# Allegro board RK3588_Template_LP4XD200P232SD8_41R0X41R0_2133MHz_H1R6_V11_20220216.brd (continued)
## Routing (per net, layer and track width the routed paths; a pad name or vN(x,y) marks a point on that pad's centre or on a via; arc(x,y) is an arc through that point) (continued)
65.29,50.95 ; v1(65.62,50.63) 65.94,50.3 ; U1000.R3 65.94,50.95 v1(66.26,51.28) 65.94,51.6 U1000.T3 65.94,51.6 v1(66.26,51.93) 65.94,52.25 U1000.U3 ; U1000.R3 65.94,50.95 v1(66.26,50.63) 65.94,50.3 ; 60.1,58.1 U1000.AF12 ; 60.1,58.1 60.41,57.79 v1(60.41,57.78) ; U1000.AF12 59.76,58.43 ; U1000.AC5 64.96,56.48 ; U1000.AC5 v1(64.97,55.83) ; U1000.AC5 v1(64.32,56.48) 64.64,56.8 U1000.AD5 ; U1000.AC5 64.32,55.83 ; 64.96,56.48 U1000.AD5 ; 52.62,51.93 U1000.T23 ; v1(67.69,48.35) U1000.L1 ; U1000.F14 58.79,45.1 v1(59.11,44.78) U1000.F13 59.44,45.1 v1(59.76,44.78) 60.09,44.45 U1000.E12 60.09,44.45 v1(60.41,44.13) 60.09,43.8 v1(60.41,43.48) ; U1000.F14 v1(58.46,45.43) ; 59.94,26.82 v1(59.95,26.83) ; v1(59.95,26.83) U3801.N9 60.68,27.15 v1(60.71,27.18) 60.71,27.18 61.09,27.56 v1(61.98,27.56) 61.98,27.4 U3801.K9 v1(62.55,26.83) 62.87,26.5 U3801.J10 ; v1(63.01,47.38) U1000.K8 ; U1000.K8 62.36,48.03 ; U1000.K8 v1(62.36,47.38) ; U1000.AL13 59.69,61.6 59.69,62.25 U1000.AN12 v1(59.76,62.98) ; v1(57.81,45.43) 57.49,45.1 U1000.F16 ; U1000.L21 54.57,48.68 ; U1000.L21 v1(54.57,48.03) ; 60.44,59.7 60.44,59.75 60.74,60.05 U1000.AJ11 60.42,60.38 ; v1(51.32,47.38) 51.56,47.62 51.56,47.78 ; v1(51.31,47.38) U1000.J25 ; v1(63.01,55.17) 63.01,55.18 U1000.AB8 63.01,55.82 v1(63.01,55.82) ; v1(63.01,55.17) 63.34,55.5 U1000.AB7 63.02,55.82 v1(63.01,55.82) ; v1(45.34,32.51) 45.85,33.02 45.85,35.05 49.8,39 49.8,41.24 49.91,41.36 v1(49.91,41.4) ; U1000.W9 62.35,53.86 ; U1000.W9 61.71,53.23 ; U1000.T23 v1(53.27,51.28) ; v1(61.06,56.48) U1000.AC11 ; v1(61.06,56.48) 60.74,56.8 U1000.AD11 ; v1(61.06,56.48) U1000.AC10 61.39,56.15 v1(61.06,55.83) ; v1(61.06,56.48) 61.39,56.8 U1000.AD10 ; U1000.AC11 v1(61.06,55.83) ; U1000.AC11 60.72,56.15 60.41,55.84 ; 60.41,55.84 U1000.AC12 v1(60.41,56.48) U1000.AD11 ; 62.36,48.03 62.04,47.7 U1000.K9 ; v1(64.96,61.68) U1000.AM4 ; 60.42,61.03 U1000.AK11 60.41,60.38 ; U1000.AJ12 v1(59.77,60.38) ; U1000.AJ12 60.41,60.38 ; U3800.E12 v1(84.65,53.74) ; 53.23,46.76 U1000.H22 ; U1000.AA20 U1000.Y19 ; v1(50.67,51.28) 50.99,50.95 U1000.R26 ; v1(50.66,51.28) U1000.T27 50.68,51.94 ; 53.28,54.55 53.25,54.55 U1000.AA23 ; 53.28,54.55 U1000.Y23 ; 53.28,54.55 U1000.AA22 ; 62.03,52.27 62.37,51.93 ; 62.37,51.93 U1000.T9 v1(62.36,51.28) ; 62.37,51.93 63,52.57 63,52.59 ; 52.61,51.28 U1000.R23 ; v1(64.31,46.73) U1000.H6 ; v1(64.32,46.73) 64.64,47.05 ; U1000.U15 v1(58.46,52.58) U1000.V15 ; v1(66.26,56.48) 65.94,56.15 U1000.AC3 ; U1000.N22 v1(53.27,49.33) U1000.M22 ; U1000.N22 53.92,49.98 ; 57.81,57.78 U1000.AE15 ; 53.88,47.41 U1000.J21 ; 52.02,51.23 v1(51.97,51.28) ; 52.02,51.23 U1000.T25 ; U1000.W16 57.49,53.55 57.81,53.24 ; U1000.W16 v1(57.17,53.88) ; 53.26,60.38 52.94,60.7 U1000.AK23 52.7,60.94 52.7,61.12 U1000.AL23 52.57,61.72 ; 53.26,60.38 53.26,60.38 U1000.AJ23 52.94,60.05 53.26,59.73 ; U1000.F19 55.54,45.1 v1(55.22,44.78) ; U1000.F19 55.53,45.1 55.21,45.42 ; U1000.D23 52.94,43.8 v1(52.62,43.48) ; U1000.D23 v1(53.26,43.48) ; 56.84,45.1 57.16,44.78 U1000.F16 ; 56.84,45.1 U1000.E18 56.19,44.45 v1(56.51,44.13) 56.19,43.8 v1(56.51,43.48) ; 56.84,45.1 56.51,45.43 56.64,45.56 56.64,46.6 56.51,46.73 ; U1000.P19 v1(55.86,49.98) ; U1000.P19 v1(55.87,50.63) U1000.R18 U1000.T19 ; v1(55.87,49.98) U1000.P18 U1000.R19 ; v1(55.87,49.98) 56.19,49.65 U1000.N18 v1(55.87,49.33) U1000.M18 U1000.L19 ; v1(59.39,32.31) 59.39,32.19 U3801.P3 59.62,31.8 59.92,31.5 v1(59.94,31.5) 59.96,31.47 59.96,31.46 U3801.N4 60.27,30.96 v1(60.07,30.76) ; U1000.C16 57.18,42.84 57.15,42.84 U1000.C17 ; U1000.C16 57.16,43.48 56.84,43.15 U1000.C17 ; U1000.AB16 U1000.AA17 ; 53.26,59.73 52.94,59.42 U1000.AH23 53.25,59.09 ; 53.26,59.73 U1000.AH22 ; U1000.J20 55.15,47.31 55.28,47.31 U1000.J19 ; U1000.J20 54.63,46.79 54.5,46.79 U1000.J21 ; v1(55.22,53.88) 54.89,54.2 U1000.Y20 ; v1(55.22,53.88) U1000.Y19 ; v1(55.21,53.88) U1000.W20 ; U1000.T19 v1(55.22,51.93) ; U1000.T19 v1(55.86,51.92) ; v1(55.22,51.93) 54.89,52.25 U1000.U20 ; v1(55.22,51.93) U1000.U19 ; v1(50.02,46.73) U1000.J28 49.69,47.02 49.38,46.71 ; v1(50.02,46.73) U1000.H28 49.38,46.71 ; 56.84,43.15 U1000.C17 ; 56.84,43.15 v1(56.51,42.83) U1000.C18 v1(56.51,43.48) ; 56.84,43.15 v1(56.51,43.48) ; U1000.Y19 55.54,54.2 v1(55.87,53.88) ; 63.98,52.27 63.66,51.96 v1(63.66,51.93) 63.39,52.2 ; 63.98,52.27 64,52.27 ; 64.96,46.08 64.64,45.75 ; 64.64,45.75 v1(64.96,45.43) ; 64.64,45.75 64.32,46.08 ; 64.64,45.75 v1(64.64,45.88) ; U1000.AA3 66.2,54.59 66.2,54.46 U1000.Y3 ; U1000.AA3 v1(66.27,55.18) U1000.AB3 65.94,55.5 v1(66.26,55.83) U1000.AC3 ; U1000.AA3 65.62,54.53 65.94,54.2 U1000.Y3 ; v1(58.52,34.44) 58.52,34.39 58.32,34.19 U3801.T1 ; U3801.G10 v1(63.87,26.05) ; 65.29,50.95 v1(64.96,50.63) U1000.R5 ; 65.29,50.95 v1(64.97,51.28) U1000.R5 ; 60.41,53.23 U1000.W12 ; U1000.AA19 U1000.Y20 ; 44.45,64.26 44.95,63.76 44.95,63.49 v1(45.47,62.98) U1000.AP34 ; U3801.E8 v1(65.47,28.39) ; U1000.H14 v1(58.46,46.73) ; U1000.H14 v1(59.11,46.73) ; v1(58.46,46.73) U1000.J14 58.79,47.05 v1(59.11,46.73) ; v1(58.46,46.73) 58.14,47.05 U1000.J15 v1(57.82,46.73) U1000.J16 57.49,47.05 v1(57.16,46.73) 56.84,47.06 ; U1000.H12 v1(60.41,46.08) ; U1000.R21 v1(54.57,51.28) ; U1000.R21 v1(53.92,51.28) U1000.R22 ; U1000.R21 v1(53.92,50.63) ; 51.3,46.09 U1000.G25 ; U3801.A10 v1(68.4,26.03) ; 57.02,58.8 56.89,58.8 v1(56.52,58.43) ; 57.02,58.8 57.02,59.22 56.85,59.39 ; 56.83,58.1 56.85,58.1 ; 56.83,58.1 56.52,57.78 ; 56.85,58.1 v1(56.52,58.43) ; 55.25,48.64 U1000.M20 54.57,48.68 ; 55.25,48.64 U1000.L19 ; U1000.T25 U1000.R26 ; U1000.T25 50.67,52.57 ; U1000.R26 U1000.P25 ; U1000.AA17 v1(56.52,54.53) ; v1(56.52,54.53) U1000.Y17 ; U1000.V8 63,52.59 ; U1000.Y24 U1000.AA23 ; U1000.Y24 v1(52.62,53.88) ; U1000.Y24 v1(51.97,53.88) ; U1000.Y24 52,54.49 51.93,54.49 ; U1000.AA23 v1(52.62,55.18) ; U1000.AA23 v1(53.27,55.18) U1000.AA22 ; 63.64,58.41 63.99,58.75 ; 63.64,58.41 U1000.AF7 ; 63.64,58.41 63.34,58.71 U1000.AG7 ; 63.99,58.75 U1000.AG6 ; 63.99,58.75 v1(63.66,59.08) ; U3801.T12 v1(58.62,24.46) ; U1000.R19 U1000.T18 56.19,51.6 55.87,51.92 v1(55.86,51.92) ; U1000.J21 53.92,46.73 ; U1000.W2 v1(66.91,53.88) ; U1000.W2 v1(66.26,53.88) ; U1000.AF14 v1(59.11,58.43) U1000.AF13 ; U1000.AF14 U1000.AE15 ; U3800.G10 82.82,52.75 83,52.57 v1(83.12,52.57) ; U1000.L19 v1(55.87,48.03) 56.19,47.7 U1000.K18 ; 63.02,59.72 63.02,59.74 U1000.AJ7 ; 63.02,59.72 v1(63.66,59.08) ; 63.02,59.72 63.01,59.72 U1000.AH8 U1000.AG7 ; 50.28,52.31 50.41,52.31 50.67,52.57 ; 50.28,52.31 50.65,51.94 50.68,51.94 ; v1(84.02,53.08) 84.02,53.08 U3800.G12 v1(83.92,52.43) ; U1000.P8 v1(63.01,49.98) ; U1000.P8 62.69,50.3 v1(63.01,50.63) U1000.R8 ; 53.26,44.77 53.27,44.77 U1000.E22 ; U1000.AM24 52.57,61.72 ; U1000.AM24 v1(51.97,62.33) ; U3800.P10 v1(82.4,47.87) ; U3800.P10 v1(83.19,47.88) ; U1000.K9 v1(62.36,47.38) ; v1(53.92,58.43) U1000.AG21 v1(53.92,59.08) ; v1(53.92,58.43) U1000.AG22 ; v1(53.92,58.43) U1000.AF21 ; v1(53.92,58.43) 53.59,58.1 U1000.AF22 53.27,58.42 53.26,58.42 ; U3800.V5 v1(78.36,45.98) ; v1(65.61,57.13) U1000.AE3 v1(65.61,57.78) 65.29,58.1 U1000.AF4 U1000.AG3 v1(66.26,58.43) ; U1000.B27 50.34,42.5 v1(50.02,42.83) U1000.C28 v1(49.37,42.83) ; v1(80.52,42.67) 80.81,42.67 U3800.AB8 ; 55.87,52.59 55.86,52.59 U1000.V19 ; 55.87,52.59 55.54,52.25 U1000.U19 ; U1000.W3 v1(65.61,53.23) ; U1000.W3 v1(66.26,53.88) ; v1(65.61,53.23) U1000.V4 ; v1(60.41,57.78) 60.43,57.76 60.44,57.76 ; v1(60.41,57.78) 60.41,57.74 60.13,57.45 U1000.AE12 ; U1000.AB32 v1(47.41,55.18) U1000.AA31 v1(47.41,54.53) ; v1(52.62,53.88) 52.64,53.9 U1000.Y23 ; v1(52.62,53.88) 52.94,53.55 U1000.W23 52.62,53.23 ; v1(52.62,53.88) U1000.W24 ; U1000.AD10 61.39,56.8 61.71,57.13 ; 53.92,46.73 U1000.H22 ; v1(64.14,70.1) 64.14,70.08 63.88,69.83 63.52,69.83 62.92,70.43 62.92,70.58 62.93,70.59 62.93,74.39 62.93,74.94 62.74,75.13 62.74,76.65 ; U1000.AM26 v1(51.32,61.68) 51.64,61.35 ; U1000.J5 64.64,47.05 ; 64.64,47.05 v1(64.31,47.38) ; U1000.V4 65.61,52.58 ; U1000.AF7 63.01,58.43 ; U1000.AF7 63.64,57.8 63.64,57.8 ; U1000.AF7 63.03,57.79 63,57.79 ; 63.01,58.43 U1000.AG7 ; 63.01,58.43 U1000.AF8 ; 63.01,58.43 62.7,58.74 62.68,58.74 ; v1(51.97,57.78) U1000.AF24 52.57,57.83 52.66,57.83 ; v1(51.97,57.78) U1000.AE24 ; 64.47,83.06 64.15,82.74 63.45,82.74 62.8,82.1 C2325.2 ; U1000.Y17 v1(57.16,53.88) ; U1000.R23 v1(53.27,51.28) ; v1(53.27,51.28) 53.59,50.95 U1000.R22 ; 61.39,45.1 v1(61.06,44.78) 60.74,45.1 U1000.F11 ; 65.61,43.47 U1000.D3 ; U1000.C23 v1(52.62,43.48) ; U1000.C23 v1(53.26,43.48) ; U1000.C23 v1(53.26,42.83) U1000.C22 ; 61.71,57.13 U1000.AE9 ; U1000.AE9 62.36,57.78 ; U1000.V19 v1(55.22,53.23) 55.2,53.24 ; v1(56.7,24.43) 56.7,24.43 U3801.V12 ; v1(75.25,48.49) U3800.P1 ; U1000.R22 53.59,50.95 v1(53.92,50.63) ; U1000.Y3 v1(66.26,53.88) ; U1000.N29 49.04,49.65 v1(49.37,49.33) 49.04,49 U1000.M29 49.04,49 v1(48.72,48.68) ; U1000.V25 51.64,52.9 v1(51.97,53.23) ; U1000.V25 51.64,52.9 51.32,52.58 ; U1000.E20 54.89,44.45 ; 54.89,44.45 v1(55.22,44.78) ; 54.89,44.45 v1(54.57,44.78) ; U1000.U3 65.94,52.25 65.61,52.58 ; 65.94,47.05 v1(65.62,47.38) ; 65.94,47.05 U1000.J3 ; U1000.AA6 64.31,55.17 ; v1(55.22,55.83) 55.54,55.5 U1000.AB19 ; 56.52,47.38 56.19,47.7 U1000.K18 ; 56.52,47.38 56.84,47.06 ; 56.52,47.38 U1000.L16 v1(57.81,48.68) U1000.M15 ; 56.52,47.38 U1000.J18 ; 51.93,54.49 51.69,54.25 51.69,54.15 v1(51.97,53.88) ; 51.93,54.49 U1000.AA24 ; v1(54.57,51.28) U1000.R20 ; U1000.AC24 v1(52.62,55.83) U1000.AB24 ; U1000.AC24 52.29,56.15 51.97,55.83 U1000.AB24 ; 64.31,55.17 64.31,55.18 U1000.AB6 64.32,55.83 ; v1(53.92,59.73) U1000.AH22 ; v1(53.92,59.73) U1000.AH21 v1(53.92,59.08) ; 62.37,25.4 v1(62.55,25.23) U3801.J12 v1(62.87,24.33) ; U1000.AF13 59.44,58.1 59.76,58.43 ; U1000.V30 v1(48.06,52.58) ; v1(48.06,52.58) 48.39,52.25 U1000.U30 v1(48.07,51.93) U1000.U31 47.74,52.25 v1(48.06,52.58) ; U1000.F7 63.34,45.1 v1(63.66,44.78) ; v1(63.66,59.08) U1000.AG7 ; 59.76,58.43 U1000.AG12 ; U1000.AA22 v1(53.92,55.18) U1000.AA21 ; U1000.Y13 59.44,54.2 v1(59.76,53.88) U1000.W12 ; v1(51.97,53.88) U1000.W24 ; 50.68,51.94 51.32,52.58 ; U1000.P25 v1(51.32,49.98) ; U3800.J1 75.69,51.45 v1(76.02,51.13) U3800.K2 ; 56.51,46.73 56.51,46.74 56.84,47.06 ; 56.51,46.73 U1000.J18 ; U1000.J19 v1(55.86,46.73) ; U1000.AF8 62.36,57.78 ; U1000.AF8 63,57.79 ; 62.36,57.78 61.72,58.42 ; v1(48.32,26.42) v1(48.32,27.69) v1(48.32,28.96) v1(48.32,30.23) v1(48.32,31.5) v1(48.32,32.77) v1(48.32,34.04) 49.28,34.99 49.28,35.56 v1(49.53,35.81) v1(50.55,36.83) ; v1(60.78,41.4) 60.74,41.44 U1000.A11 ; U3801.AB10 v1(54.1,26.03) ; U1000.AB29 v1(49.36,55.18) ; 63,52.59 63.39,52.2 ; U1000.V10 61.71,53.23 ; v1(64.31,42.83) U1000.C6 63.99,43.15 ; U3801.K2 62.22,32.88 v1(62.51,33.17) 62.87,33.53 U3801.J1 ; 53.25,59.09 U1000.AG22 ; 53.25,59.09 53.28,59.09 U1000.AH22 ; U1000.AG22 53.26,58.42 ; U1000.AG22 53.59,58.75 v1(53.92,59.08) ; 65.61,61.68 U1000.AM4 ; U3800.E1 75.82,53.77 v1(75.87,53.77) ; U1000.C22 v1(53.26,43.48) ; U1000.C22 53.59,43.15 v1(53.92,42.83) U1000.C21 54.57,42.83 U1000.C20 54.89,43.15 v1(55.21,42.83) 55.54,42.5 U1000.B19 v1(55.22,42.18) ; U1000.M14 58.51,48.72 58.42,48.72 U1000.M15 ; U1000.M14 v1(59.11,48.68) ; v1(62.36,51.28) 62.04,50.95 U1000.R9 v1(62.36,50.63) ; v1(62.36,51.28) U1000.R8 ; U3800.J3 77.46,51.13 v1(77.59,51.13) 77.62,51.13 U3800.K4 ; U1000.T6 v1(64.31,51.93) 64.31,51.96 64,52.27 ; U1000.T6 63.99,51.6 63.65,51.94 ; U1000.T6 v1(64.31,51.28) U1000.R5 ; U1000.K31 47.45,47.99 47.38,47.99 ; U3801.G8 v1(64.46,28.25) ; U3801.V5 57.02,30.47 57.27,30.72 v1(57.28,30.72) ; 53.26,58.42 52.66,57.83 ; U1000.R8 v1(62.36,50.63) ; v1(57.35,33.2) 57.35,33.2 U3801.V1 57.01,33.57 57.01,33.99 v1(56.91,34.1) ; v1(46.76,44.78) U1000.E32 U1000.F31 47.74,45.1 v1(47.41,45.43) 47.09,45.75 U1000.G32 v1(46.78,46.07) ; v1(79.03,53.05) U3800.G5 ; U3800.D4 v1(78.4,54.4) U3800.E5 ; U3800.D4 78.3,55.06 v1(78.37,55.06) 78.45,55.06 U3800.C5 v1(79.12,54.98) ; U3800.D4 v1(77.6,54.99) ; 57.81,53.24 U1000.V15 ; 63,57.79 U1000.AE7 ; v1(52.62,43.48) U1000.D24 ; v1(54.57,57.13) U1000.AE21 ; v1(55.86,51.92) 55.86,51.94 U1000.U19 ; U1000.H22 53.59,46.4 v1(53.92,46.08) ; U1000.D31 v1(47.41,43.48) U1000.C32 ; v1(53.92,59.08) 53.59,59.4 U1000.AH22 ; v1(60.41,43.48) 60.09,43.15 ; v1(60.41,43.48) U1000.C11 ; 60.09,43.15 v1(60.41,42.83) U1000.C11 ; v1(51.97,53.23) U1000.V24 ; v1(51.97,53.23) U1000.W24 ; U3800.D11 v1(83.21,54.38) ; 49.38,46.71 49.04,47.05 U1000.J29 ; v1(40.89,50.17) v1(41.91,50.17) v1(43.16,50.17) 43.31,50.17 43.41,50.27 43.41,50.33 43.65,50.57 43.71,50.57 43.77,50.63 v1(44.45,50.63) v1(45.46,50.63) U1000.P34 U1000.R33 v1(46.11,51.28) U1000.T33 46.44,51.6 v1(46.11,51.93) U1000.U34 v1(45.47,51.93) v1(44.45,51.93) v1(43.43,51.93) 42.59,52.77 v1(41.91,52.77) v1(40.89,52.77) v1(39.62,52.77) ; v1(54.57,44.78) 54.24,45.1 U1000.F21 ; v1(54.57,44.78) U1000.F20 ; 63.64,57.8 63.64,57.76 U1000.AE7 ; U1000.H6 63.66,46.07 63.97,45.75 U1000.G6 ; U1000.H6 64.32,46.08 ; U3800.C12 v1(84.66,55.67) ; U3801.A3 68.12,31.95 v1(68.45,32.28) ; U1000.AD11 60.09,57.45 U1000.AE12 ; U1000.C32 v1(46.76,42.83) U1000.B33 v1(46.11,42.83) ; U1000.C32 v1(46.76,43.48) ; U1000.J18 v1(55.86,46.73) ; U1000.K6 v1(64.31,47.38) ; U1000.AF31 v1(47.42,58.43) 47.09,58.1 U1000.AF32 v1(46.77,58.43) ; v1(11.34,55.64) 11.34,55.77 11.45,55.88 U4000.G5 ; U1000.AM4 v1(64.97,62.33) ; U1000.N20 54.56,49.98 ; 64.32,46.08 U1000.G6 ; U1000.AB24 v1(52.62,55.18) ; v1(63.01,64.28) 63.01,64.87 64.14,65.99 v1(64.14,66.04) 64.73,66.63 v1(64.73,68.07) ; U1000.D3 65.62,44.13 U1000.E3 ; U1000.D3 66.26,44.13 U1000.E3 ; U1000.AK14 v1(58.48,60.4) 58.14,60.05 U1000.AJ15 v1(57.82,60.38) U1000.AJ16 56.85,59.41 56.85,59.39 ; v1(63.01,55.82) 63.01,55.83 U1000.AC8 62.99,56.45 62.99,56.52 62.7,56.8 U1000.AD8 v1(63.01,57.13) 63.34,57.45 U1000.AE7 ; U3801.T8 v1(57.92,27.55) ; C2327.2 62.74,76.65 ; 62.74,76.65 62.74,78.42 C2324.2 ; U4000.J5 10.45,55.77 10.45,55.77 v1(10.45,55.75) ; v1(55.22,44.78) 54.89,45.1 U1000.F20 ; U1000.F21 53.9,44.77 ; v1(84.66,46.58) U3800.T12 ; U3800.K11 83.25,51.1 v1(83.24,51.1) 83.24,51.11 U3800.J10 v1(82.33,51.04) 82.31,51.05 U3800.K9 81.56,50.42 v1(81.53,50.42) ; U3800.K11 83.84,50.55 v1(83.84,50.51) 83.84,49.15 U3800.N11 v1(83.86,48.53) U3800.P12 v1(84.68,48.54) ; U3800.K11 83.86,51.13 v1(83.97,51.13) 83.98,51.21 U3800.J12 v1(84.66,51.78) ; U3801.C8 v1(66.37,28.35) ; v1(48.07,58.43) 47.74,58.1 ; v1(61.66,84.58) 61.66,84.76 61.99,85.09 ; 48.39,62 v1(48.07,62.33) 47.74,62.65 ; U1000.Y23 U1000.AA24 ; 53.9,44.77 U1000.E22 ; U3801.AB8 v1(54.76,28.3) ; U3801.P1 59.62,33.51 v1(59.97,33.17) 60.27,32.86 U3801.N2 ; 47.38,47.99 47.74,48.35 U1000.L31 ; 47.38,47.99 U1000.K32 v1(46.76,47.38) U1000.J32 U1000.H31 ; U1000.R28 49.69,50.95 v1(49.37,51.28) ; v1(67.1,24.43) U3801.C12 66.41,25.11 v1(66.41,25.21) 66.41,25.26 U3801.D11 ; U3801.D9 v1(66.45,26.83) ; v1(69.11,41.02) 69.11,40.69 ; U1000.V24 52.62,53.23 ; U1000.A34 v1(45.46,41.53) ; v1(63.01,62.98) U1000.AN7 ; 56.85,59.39 v1(56.52,59.73) U1000.AJ18 ; 55.21,45.42 54.89,45.1 U1000.F20 ; v1(11.56,51.18) 11.62,51.12 14.54,51.12 14.55,51.13 14.65,51.24 14.65,51.24 14.93,51.52 14.93,51.52 15.49,52.08 v1(15.49,52.45) ; U3800.V1 v1(75.86,45.93) ; U3800.C8 v1(80.76,54.98) ; 56.18,71.5 56.39,71.29 56.39,69.6 56.51,69.48 56.51,63.71 56.52,63.7 v1(56.52,63.63) U1000.AP17 ; v1(52.62,55.18) U1000.AA24 ; v1(83.97,45.95) 83.99,45.95 U3800.V12 ; v1(34.54,48.41) 34.37,48.23 34.35,48.25 34.16,48.25 34.1,48.19 33.72,48.19 33.66,48.25 33.55,48.25 ; U1000.E22 v1(53.91,44.13) ; 52.62,53.23 U1000.W24 ; v1(56.64,31.5) 56.64,31.42 U3801.W4 ; U1000.AE24 52.66,57.83 ; 63.75,43.39 63.99,43.15 ; v1(53.72,30.23) 54.29,30.23 U3801.AB5 ; v1(64.48,33.24) U3801.G1 ; U4000.P6 7.86,55.72 7.52,55.38 v1(7.37,55.38) ; U3801.D4 v1(66.45,31.48) ; U3801.T10 v1(58.66,26.02) ; U3800.Y5 v1(79.07,44.63) ; 63.67,42.83 63.99,43.15 ; v1(55.4,24.43) U3801.Y12 v1(56.02,25.2) U3801.W11 ; U1000.C26 50.99,43.15 v1(51.32,42.83) ; U3801.T5 v1(58.69,30.72) ; v1(56.52,58.43) U1000.AG18 ; U3800.G1 75.33,52.96 v1(75.18,52.96) 75.11,52.88 74.35,52.88 v1(73.91,52.45) ; U3800.AB5 78.94,42.8 v1(79.12,42.8) ; v1(76.81,47.23) U3800.T3 77.52,46.53 77.52,46.51 v1(77.52,46.5) ; U3800.G3 v1(77.47,53.08) ; v1(63.15,31.65) 63.15,31.67 U3801.J3 ; v1(64.34,25.12) U3801.G12 v1(64.17,24.33) ; v1(66.26,60.38) 65.94,60.05 U1000.AJ3 65.94,60.05 U1000.AH4 ; U3801.Y1 55.72,33.4 v1(56.05,33.08) U3801.W2 ; U1000.C30 v1(48.06,42.83) ; U1000.AM28 v1(49.37,62.33) ; U1000.AP1 v1(67.56,63.63) ; U3801.AB3 54.22,31.95 v1(54.02,32.15) ; v1(55.37,30.7) U3801.Y5 ; U3800.T10 v1(83.03,47.19)
  TOP w0.305: 50.99,47.05 51.32,46.73
  TOP w0.381: C2255.2 v2(89.99,88.01) ; C2253.2 v2(92.13,88.01) ; 39.43,50.36 v1(39.62,50.17) ; 34.54,51.66 v1(34.54,49.68) v1(34.54,48.41) ; 35.05,48.41 v1(35.81,48.41) v1(37.34,48.41) ; v1(55.4,24.43) 55.4,23.11 55.37,23.09
  TOP w0.406: 18.64,51.44 v1(19.24,51.44) v1(21.59,51.44) v1(23.62,51.44) 24.89,51.44 ; v1(45.34,32.51) v1(43.56,30.73) v1(41.15,28.32) v1(38.73,28.32) 32.89,28.32 v1(32.64,28.58) ; v1(66.29,23.09) v1(67.56,23.09) v1(68.83,23.09) ; v1(26.1,60.45) 29.59,60.45 29.66,60.38 29.66,60.37 30.21,59.82 30.37,59.82 v1(30.38,59.82) v1(32.26,59.82) v1(34.16,59.82) 38.35,59.82 ; v1(21.59,53.91) v1(23.62,53.91) v1(25.65,53.91) v1(27.69,53.91) 29.45,53.91 ; 23.88,32.82 25.89,34.23 26.74,34.23 26.75,34.24 v1(26.8,34.24) 26.85,34.24 26.85,34.23 v1(31.54,34.23) v1(34.92,34.23) v1(38.55,34.23) v1(40.26,35.94) v1(41.66,37.34) v1(43.18,38.86) v1(44.83,40.51) 45.46,41.15 v1(45.46,41.53) ; v1(68.96,75.18) 64.14,70.36 v1(64.14,70.1) ; 48.32,26.34 48.89,25.77 v1(48.91,25.77) v1(49.8,24.87) v1(50.7,23.97) 51.59,23.09 v1(53.59,23.09) v1(54.86,23.09) v1(56.13,23.09) v1(57.4,23.09) v1(59.94,23.09) v1(61.21,23.09) v1(62.48,23.09) v1(63.75,23.09) ; v1(70.78,23.15) v1(71.67,24.05) v1(72.57,24.95) v1(73.47,25.85) 73.5,25.85 v1(74.39,26.74) 74.45,26.8 v1(74.45,28.07) v1(74.45,29.34) v1(74.45,30.61) v1(74.45,31.88) v1(74.45,33.15) v1(74.45,34.42) ; 33.55,48.25 11.86,48.25 11.62,48.01 11.56,48.01 11.28,47.73 11.26,47.75 10.84,47.75 10.54,47.45 10.54,47.03 10.56,47.01 ; 50.74,76.94 v1(52.64,75.04) v1(54.5,73.17) ; 50.74,76.94 50.74,78.33 53.07,80.65 v1(53.07,81.99) ; 50.74,76.94 v1(46.86,76.94) 42.82,76.94 v1(41.53,78.23) 40.26,79.5 v1(40.26,80.77) 40.26,83.22 v1(40.31,83.27) 38.49,85.09 ; C1101.2 39.43,52.58 v1(39.62,52.77) ; 28.52,80.58 30.02,82.09 33.99,82.09 34.92,81.15 v1(34.92,77.09) 34.92,74.12 37.34,71.7 44.81,71.7 v1(45.03,71.49) 47.05,69.47 50.55,69.47 v1(51.18,68.83) 51.94,68.07 ; 27.11,61.02 v1(26.42,61.72) v1(24.26,63.88) 23.88,64.26 ; 24.89,51.44 24.89,51.44 ; 24.89,51.44 29.6,51.44 29.7,51.34 32.13,51.34 ; 55.71,85.09 54.57,83.96 v1(54.57,83.17) v1(54.57,78.69) v1(54.57,75.05) 54.57,73.24 v1(54.5,73.17) ; 19.18,50.51 18.29,50.51 ; 19.18,50.51 19.92,50.51 19.94,50.54 20.44,50.54 20.47,50.51 v1(22.61,50.51) 22.86,50.51 22.86,50.52 23.37,50.52 23.37,50.51 v1(27.18,50.51) 29.25,50.51 29.32,50.44 31.35,50.44 ; 19.18,50.51 19.18,50.48 19.18,50.49 19.17,50.49 19.17,50.48 19.17,50.48 19.17,50.43 v1(19.17,50.36) ; 27.18,25.92 28.52,24.58 ; v1(68.71,91.82) 71.12,94.23 71.12,94.3 v1(71.37,94.55) v1(71.37,96.58) v1(71.37,98.61) v1(71.37,102.68) ; 69.11,40.69 v1(70.46,39.34) v1(72.36,37.44) v1(73.27,36.53) 73.3,36.56 v1(74.07,36.56) v1(75.34,36.56) v1(76.61,36.56) v1(77.6,36.56) 77.63,36.56 v1(79.02,37.95) 79.55,38.48 v1(80.01,38.48) v1(81.28,38.48) 81.31,38.51 v1(84.2,38.51) v1(84.84,38.51) ; v1(24.51,25.78) 24.64,25.78 27.05,28.19 ; 38.65,41.53 v1(38.77,41.65) ; 38.65,41.53 38.54,41.64 33.71,41.64 33.2,41.14 33.19,41.14 29.84,41.14 29.34,41.64 ; 38.65,41.53 v1(36.75,39.62) v1(33.91,39.62) v1(32.64,39.62) v1(31.37,39.62) v1(29.97,39.62) v1(25.91,39.62) v1(25.15,39.62) v1(24.38,39.62) 24.25,39.65 23.88,39.38 ; Y1100.4 38.6,49.52 39.43,50.35 C1102.2 ; 89.03,76.01 v1(85.85,76.01) v1(82.24,76.01) v1(78.08,76.01) v1(75.14,76.01) 72.51,76.01 v1(72.5,76) v1(71.1,74.6) v1(66.33,69.83) 64.73,68.23 v1(64.73,68.07) ; v1(85.88,40) v1(85.88,41.27) v1(85.88,42.54) v1(85.88,43.81) v1(85.88,47.62) v1(85.88,48.89) v1(85.88,50.16) v1(85.88,51.43) v1(85.88,52.7) v1(85.88,53.97) v1(85.88,55.24) v1(85.88,56.51) v1(85.88,57.78) v1(85.88,58.93) 85.88,59.18 85.24,59.82 v1(85.22,59.82) 84.58,60.45 v1(84.45,60.45) v1(83.57,60.45) v1(82.3,60.45) v1(81.03,60.45) v1(79.76,60.45) v1(78.49,60.45) v1(77.22,60.45) v1(75.95,60.45) v1(74.68,60.45) v1(73.41,60.45) ; v1(49.02,64.39) 48.89,64.26 v1(45.03,64.26) 44.45,64.26 42.74,65.98 v1(38.21,65.98) v1(35.37,65.98) v1(33.97,65.98) 32.8,65.98 v1(31.85,66.93) v1(30.2,68.58) 28.45,68.58 v1(28.34,68.69) v1(27.42,69.61) 25.92,71.11 25.92,74.45 ; v1(34.54,52.22) 34.54,51.66 ; v1(67.56,63.63) v1(73.56,69.63) v1(74.83,69.63) v1(76.1,69.63) v1(77.37,69.63) v1(78.64,69.63) v1(79.91,69.63) v1(81.18,69.63) v1(82.45,69.63) v1(83.72,69.63) v1(84.99,69.63) v1(86.26,69.63) 89.03,69.63 ; v1(101.22,65.79) 98.81,65.79 ; 38.3,56.9 v1(33.78,56.9) 32.13,56.9 v1(31.62,56.39) 30.73,55.5 v1(27.69,55.5) v1(25.78,55.5) v1(22.48,55.5) v1(21.86,55.5) 21.31,56.04 21.31,56.66 18.45,59.53 12.1,59.53 11.97,59.65 11.32,59.65 10.97,59.3 10.97,59.1 v1(10.92,59.05) ; 89.03,77.83 87.26,77.83 84.51,80.58 v1(81.77,77.83) 72.14,77.83 ; v1(59.76,64.28) 59.76,66.89 60.33,67.45 60.33,73.66 59.82,74.17 v1(59.82,74.5) v1(59.82,75.99) v1(59.82,78.03) v1(59.82,80.06) v1(59.82,82.09) 59.82,82.74 v1(61.66,84.58) ; v1(19.56,52.96) v1(21.59,52.96) v1(23.62,52.96) v1(25.65,52.96) v1(27.69,52.96) 29.59,52.96 ; v1(73.84,62.99) v1(75.11,62.99) v1(76.38,62.99) v1(77.65,62.99) v1(78.92,62.99) v1(80.19,62.99) v1(81.46,62.99) v1(82.73,62.99) v1(84,62.99) v1(85.27,62.99) 86.11,62.99 88.91,60.19 89.03,60.19 ; 56.18,71.5 v1(54.5,73.17) ; v1(109.47,75.31) 108.78,76.01 v1(107.64,76.01) v1(101.47,76.01) v1(100.46,76.01) 98.81,76.01 ; 14.73,50.04 v1(12.95,50.04) ; v1(34.54,48.41) 35.05,48.41
  L2-GND1 w0.089: 62.87,25.65 62.87,25.89 62.87,25.89 62.87,26.16 62.87,26.17 62.87,26.42 ; 78.55,53.4 78.28,53.4 78.22,53.47 78.11,53.47 ; 77.09,54.1 77.01,54.02 76.54,54.02 76.45,54.1 ; 82.68,52.71 82.55,52.83 82.53,52.83 82.49,52.8 82.07,52.8 82.04,52.83 ; 82.55,46.23 82.52,46.25 81.94,46.25 81.91,46.23 81.91,45.59 ; 62.1,32 62.87,32 ; 84.2,47.62 84.3,47.72 84.3,48.03 84.2,48.13 ; 55.75,28.7 55.74,28.69 55.74,27.82 55.75,27.81 ; 65.6,26.35 66.14,26.35 ; 83.57,46.86 83.61,46.9 84.11,46.9 84.2,46.99 ; v1(79.1,56.34) 79.63,55.8 79.63,55.49 v1(79.12,54.98) ; 64.77,32 64.77,31.24 ; 68.07,30.99 68.07,30.81 68.07,30.81 68.07,30.54 68.07,30.54 68.07,30.48 ; 56.39,31.88 56.39,32.13 56.37,32.14 56.37,32.41 56.39,32.43 56.39,32.64 ; 76.45,44.96 76.63,44.96 76.63,44.95 76.9,44.95 76.9,44.96 77.09,44.96 ; 54.99,25.65 55.04,25.71 55.04,26.24 54.99,26.29 ; 67.44,31.12 67.44,31.28 67.4,31.32 67.4,31.84 67.44,31.88 ; 57.02,31.88 57.66,31.88 ; 84.2,47.5 84.15,47.55 83.64,47.55 83.57,47.62 ; 82.68,52.83 82.68,52.98 82.68,52.99 82.68,53.26 82.68,53.27 82.68,53.34 ; 68.07,31.88 68.07,31.61 68.07,31.61 68.07,31.34 68.07,31.34 68.07,31.24 ; 82.04,52.07 82.55,52.07 ; 57.02,25.78 57.08,25.84 57.08,26.23 57.02,26.29 ; v1(72.9,52.41) 73.08,52.23 73.08,52.09 73.15,52.02 73.15,51.94 ; 81.91,54.1 81.97,54.05 81.97,53.52 81.91,53.47 ; 64.14,27.94 64.21,27.86 64.21,27.51 64.14,27.43 ; 57.02,32.64 57.02,32 ; 76.45,48.13 77.09,48.13 ; 77.98,56.01 77.96,55.99 77.36,55.99 77.34,56.01 ; 58.29,32 58.34,32.05 58.34,32.56 58.42,32.64 ; 63.5,25.53 63.52,25.51 63.52,24.91 63.5,24.89 ; 77.09,53.34 77.06,53.37 76.48,53.37 76.45,53.34 ; 66.17,32 66.21,32.04 66.21,32.6 66.17,32.64 ; 64.26,27.05 64.22,27.01 64.22,26.64 64.26,26.6 64.26,26.54 ; 64.26,26.42 64.77,26.42 ; 56.39,26.29 56.37,26.27 56.37,25.8 56.39,25.78 ; 57.66,32.77 58.29,32.77 ; 66.17,31.12 66.17,30.99 66.12,30.94 66.12,30.56 66.04,30.48 ; 55.63,26.29 55.72,26.19 55.72,25.81 55.75,25.78 ; 82.04,54.61 82.17,54.74 82.25,54.74 82.26,54.73 82.52,54.73 82.53,54.74 82.8,54.74 ; 78.61,46.99 78.49,46.86 77.98,46.86 ; 69.34,45.59 69.22,45.47 v1(69.22,44.7) 69.22,44.32 ; 85.12,50.04 v1(84.71,50.04) ; 59,24.96 59,25.47 ; 76.45,56.01 77.09,56.01
  L2-GND1 w0.104: 52.2,23.11 v1(52.07,23.24) 51.44,23.24 v1(50.7,23.97) v1(49.8,24.87) v1(48.91,25.77) 48.34,26.34 48.34,26.4 v1(48.32,26.42) v1(48.32,27.69) v1(48.32,28.96) v1(48.32,30.23) v1(48.32,31.5) v1(48.32,32.77) v1(48.32,34.04) 48.34,34.05 48.34,34.62 v1(49.53,35.81) v1(50.55,36.83) ; v1(85.88,50.16) v1(85.88,51.43) v1(85.88,52.7) v1(85.88,53.97) v1(85.88,55.24) v1(85.88,56.51) v1(85.88,57.78) v1(85.88,58.93) 85.88,59.16 v1(85.22,59.82) 84.58,60.45 v1(84.45,60.45) v1(83.57,60.45) v1(82.3,60.45) v1(81.03,60.45) v1(79.76,60.45) v1(78.49,60.45) v1(77.22,60.45) v1(75.95,60.45) v1(74.68,60.45) v1(73.41,60.45) ; v1(85.88,50.16) v1(85.88,48.89) v1(85.88,47.62) v1(85.88,43.81) v1(85.88,42.54) v1(85.88,41.27) v1(85.88,40) 85.85,39.98 85.85,39.24 85.09,38.48 84.86,38.48 v1(84.84,38.51) v1(84.2,38.51) 84.1,38.61 81.41,38.61 v1(81.28,38.48) v1(80.01,38.48) 79.55,38.48 v1(79.02,37.95) 77.63,36.56 v1(77.6,36.56) v1(76.61,36.56) v1(75.34,36.56) v1(74.07,36.56) 73.3,36.56 v1(73.27,36.53) 73.27,36.33 v1(73.91,35.69) 74.45,35.15 v1(74.45,34.42) v1(74.45,33.15) v1(74.45,31.88) v1(74.45,30.61) v1(74.45,29.34) v1(74.45,28.07) 74.45,26.8 v1(74.39,26.74) 74.37,26.74 v1(73.47,25.85) v1(72.57,24.95) v1(71.67,24.05) v1(70.78,23.15) 70.74,23.11 68.86,23.11 v1(68.83,23.09) v1(67.56,23.09) v1(66.29,23.09) 66.27,23.11 65.05,23.11 65.02,23.09 v1(63.75,23.09) v1(62.48,23.09) v1(61.21,23.09) v1(59.94,23.09) v1(57.4,23.09) v1(56.13,23.09) v1(54.86,23.09) ; v1(85.88,50.16) 85.85,50.16 85.73,50.04 85.12,50.04 ; v1(41.66,82.3) 41.53,82.42 40.51,82.42 ; 65.22,84.72 v1(65.22,84.84) 65.22,84.95 v1(65.86,85.59) 65.86,86.36 v1(65.86,86.36) 65.86,94.36 64.17,96.06 ; 65.22,84.72 65.86,84.08 v1(65.93,84.08) 65.93,84.07 v1(65.93,83.29) ; 65.22,84.72 65.03,84.54 65.03,84.39 64.76,84.13 63.73,84.13 63.66,84.2 v1(63.37,84.2) 63.31,84.14 61.02,84.14 ; 69.22,44.2 69.22,44.32 ; 44.7,80.77 42.8,80.77 42.67,80.65 v1(42.55,80.65) 42.42,80.65 42.29,80.52 41.4,80.52 v1(41.02,80.14) 40.89,80.14 v1(40.26,80.77) ; 44.7,80.77 44.7,79.5 v1(44.48,79.27) ; 44.7,80.77 45.6,80.77 v1(45.98,81.15) ; 26.16,87.88 26.16,87.63 27.69,86.11 27.69,85.58 28.55,84.71 29.08,84.71
  L2-GND1 w0.381: 6.35,59.06 6.35,58.29
  L3-POWER1 w0.104: v1(43.56,82.42) 41.78,82.42 v1(41.66,82.3)
  L5-POWER2 w0.089: v1(57.16,46.73) v1(57.81,46.73) v1(58.46,46.73) ; v1(54.57,44.78) v1(55.86,46.08) ; v1(54.57,44.78) v1(53.91,44.13) ; v1(54.57,44.78) 54.9,44.44 ; v1(65.61,57.13) v1(65.61,56.48) v1(64.97,55.83) 64.64,55.51 64.64,54.2 v1(64.96,53.88) ; v1(65.61,53.23) v1(64.96,53.23) 64.91,53.23 64.32,52.63 v1(64.32,52.58) v1(63.67,52.58) ; v1(61.06,46.73) 62.36,48.03 ; v1(62.36,50.63) v1(62.36,51.28)
  L6-S2 w0.089: v1(63.01,50.63) v1(62.36,50.63) v1(62.36,51.28) v1(63.01,51.93) v1(63.66,51.93) ; v1(63.01,50.63) 62.91,50.63 ; v1(63.01,50.63) 63.16,50.63 63.5,50.29 64,50.29 v1(64.31,49.98) v1(64.31,49.33) v1(64.97,48.68) v1(64.31,48.03) v1(64.31,47.38) ; v1(52.61,43.48) v1(52.61,42.83) 52.58,42.79 52.58,42.32 51.94,41.69 ; v1(64.96,42.83) 64.96,42.16 ; 64.96,42.16 64.31,42.81 v1(64.31,42.83) ; 64.96,42.16 65.09,42.04 65.79,42.04 66.78,41.04 ; v1(64.31,47.38) v1(63.67,47.38) ; v1(64.31,47.38) v1(63.01,47.38) v1(62.36,47.38) 62.36,46.48 ; v1(64.32,52.58) 64.32,52.5 ; v1(64.32,52.58) v1(64.97,52.58) ; v1(64.31,52.58) v1(63.66,51.93) ; v1(64.31,52.58) v1(64.31,51.93) v1(63.66,51.93) ; v1(55.21,42.83) 54.86,42.48 54.86,41.78 54.48,41.4 54.48,41.04 ; 71.73,59.16 v1(71.25,58.67) ; v1(64.97,52.58) v1(65.61,53.23) v1(64.96,53.23) ; v1(64.96,52.58) v1(64.96,53.23) ; 68.05,56.03 67.12,56.03 v1(66.27,55.18) ; 62.36,46.48 61.96,46.08 v1(61.71,46.08) 61.41,45.77 60.72,45.77 v1(60.41,46.08) ; 62.36,46.48 63,45.85 63.9,45.85 v1(64.31,45.43) v1(64.96,45.43) 64.96,45.67 65.25,45.96 68.05,45.96 ; v1(64.96,53.23) v1(64.96,53.88) 64.96,54.53 ; v1(55.86,45.43) v1(55.22,44.78) v1(54.57,44.78) v1(53.91,44.13) v1(53.26,43.48) v1(53.26,42.83) 53.26,42.34 52.84,41.92 52.84,41.85 v1(52.19,41.2) ; v1(55.86,45.43) 55.86,45.35 56.51,44.7 v1(56.51,44.13) v1(56.51,43.48) v1(56.51,42.83) 56.51,41.04 56.33,40.86 v1(56.08,40.86) ; v1(55.86,45.43) v1(55.86,46.08) 56.51,46.73 v1(57.16,46.73) v1(57.81,46.73) ; 68.05,42.18 66.76,43.48 v1(66.26,43.48) ; 68.05,43.22 66.93,44.34 ; 47.39,41.04 47.52,41.17 47.53,41.17 48.02,41.66 48.19,41.66 v1(49.37,42.83) ; v1(59.11,46.73) v1(58.46,46.73) v1(57.81,46.73) ; 64.96,54.53 65.16,54.33 66.78,54.33 67.77,55.32 68.05,55.32 ; 64.96,54.53 64.85,54.53 64.52,54.86 64.52,55.38 v1(64.97,55.83) v1(65.61,56.48) v1(66.26,56.48) 66.77,56.48 ; 71.37,60.33 71.4,60.33 ; v1(57.81,46.73) 57.49,46.4 57.49,45.75 v1(57.81,45.43) v1(57.81,44.78) 57.4,44.37 57.4,43.24 v1(57.81,42.83) 57.81,41.04 ; v1(49.91,41.4) 49.87,41.4 49.51,41.04 ; 53.59,41.04 53.59,41.91 53.92,42.23 v1(53.92,42.83) ; v1(66.26,51.93) 66.56,51.93 66.8,51.7 68,51.7 68.01,51.69 68.05,51.69 ; v1(67.86,56.79) 67.86,57.13 68.05,57.32 ; 48.53,41.04 50.02,42.52 v1(50.02,42.83) ; v1(63.01,44.13) 63.01,44.05 63.5,43.56 63.5,42.61 64.83,41.28 65.05,41.28 65.4,40.93 ; v1(62.36,42.83) 62.44,42.83 62.44,42.59 63.99,41.04 ; v1(66.26,46.73) 68.05,46.73 ; v1(66.26,53.23) 67.09,52.4 68,52.4 68.01,52.41 68.05,52.41 ; 81.08,58.34 81.36,58.34 82.42,57.28 v1(82.42,56.98)